# Altium PCB SmartGarden_PCB.PcbDoc
Units mm, origin at the board's own origin, x right, y up, seen from the top; angles counter-clockwise.
Board outline 83.44 x 83.44 mm, 2 copper layers (Top Layer, Bottom Layer); 40 components, 36 nets, 142 pads, 11 vias.
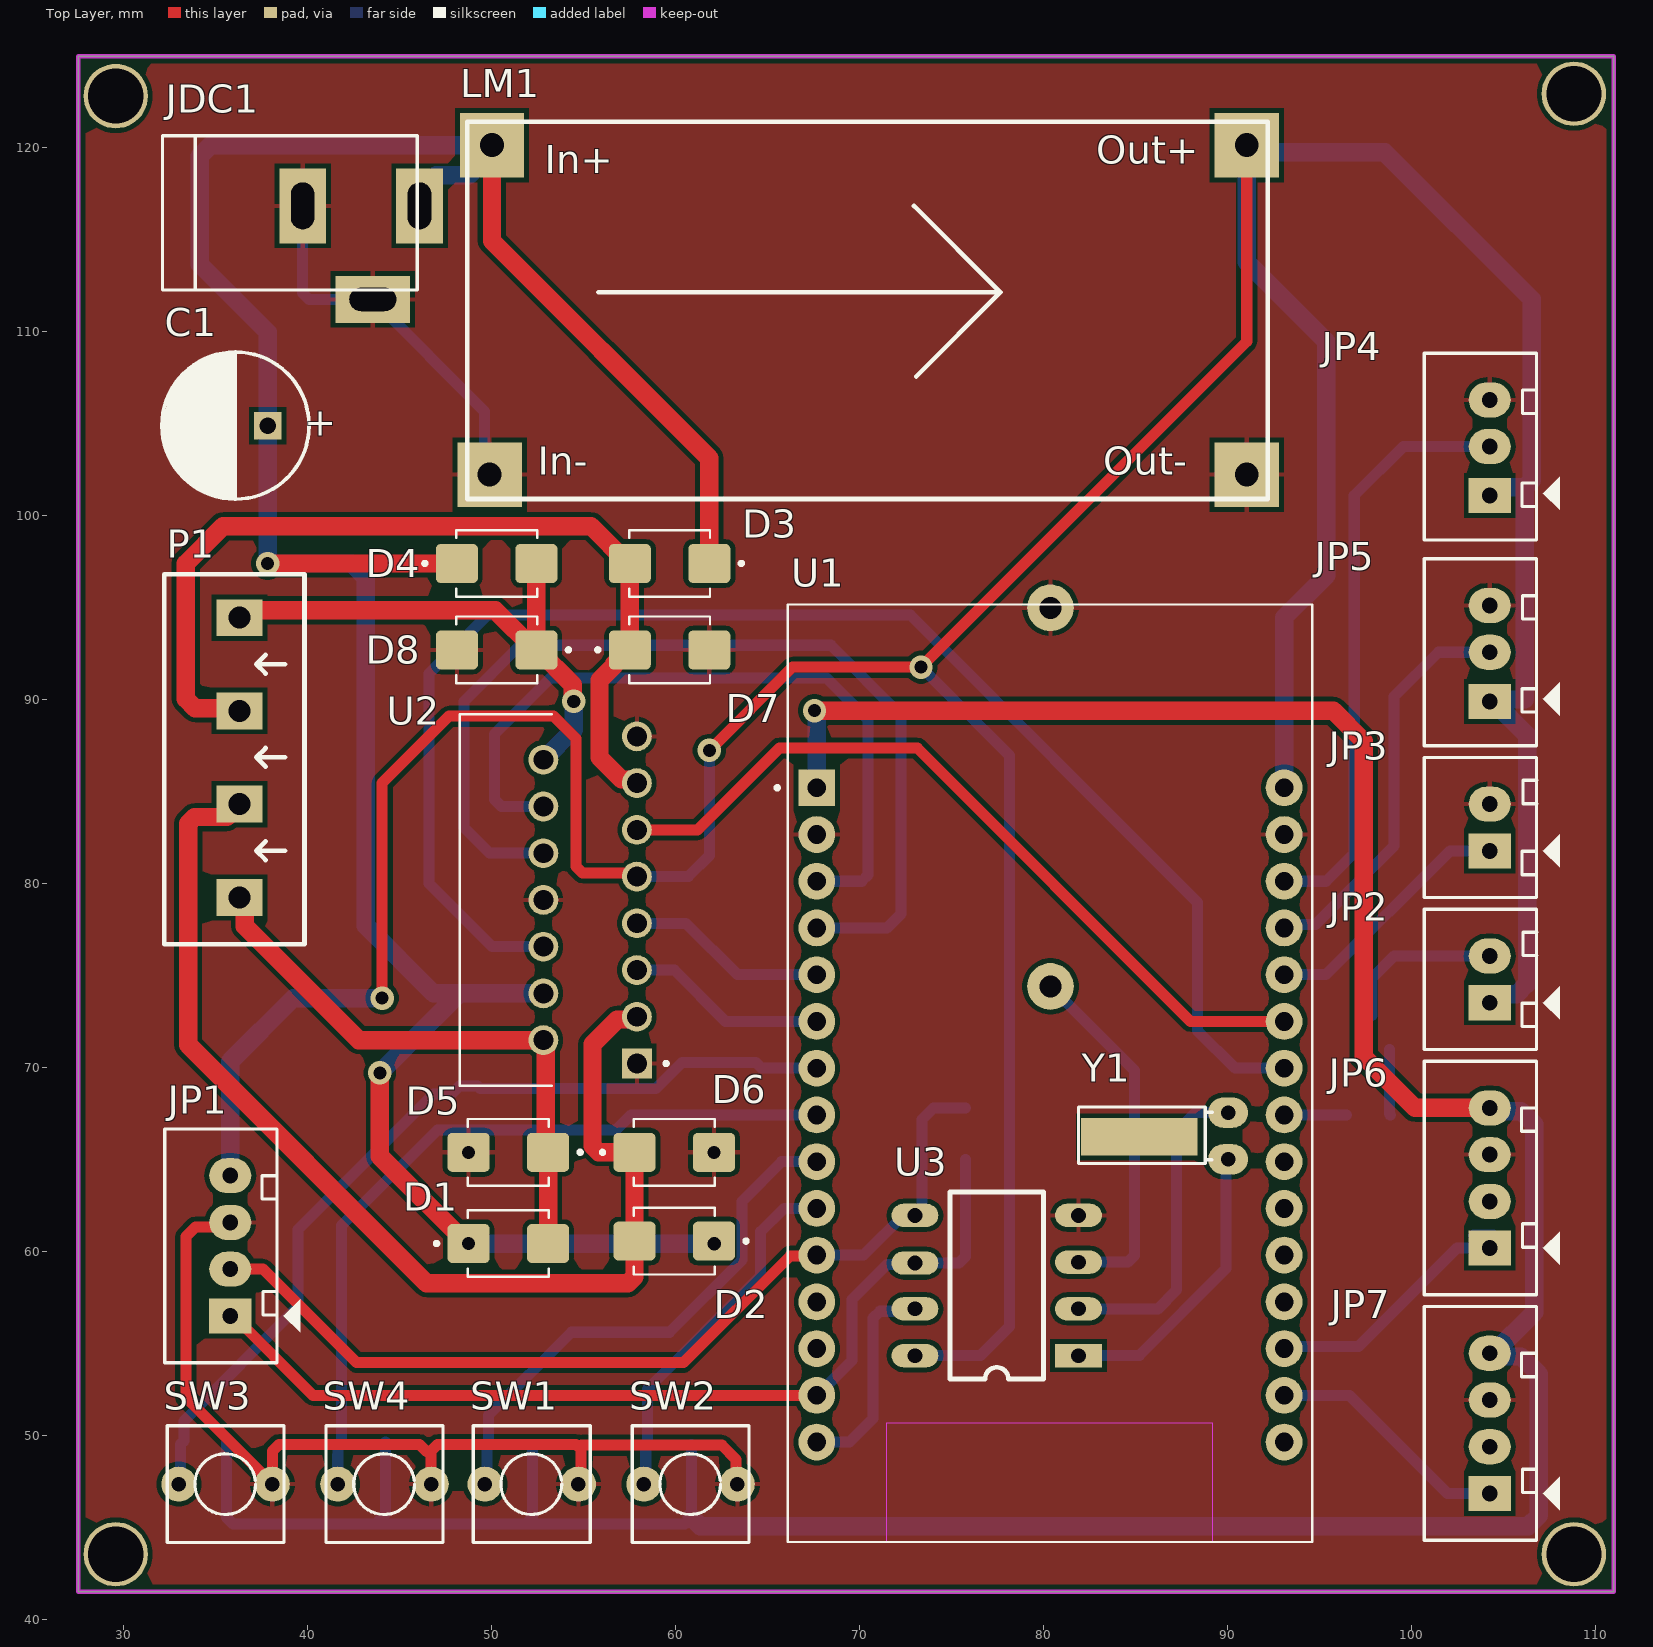
[diagram p0: Top Layer view]
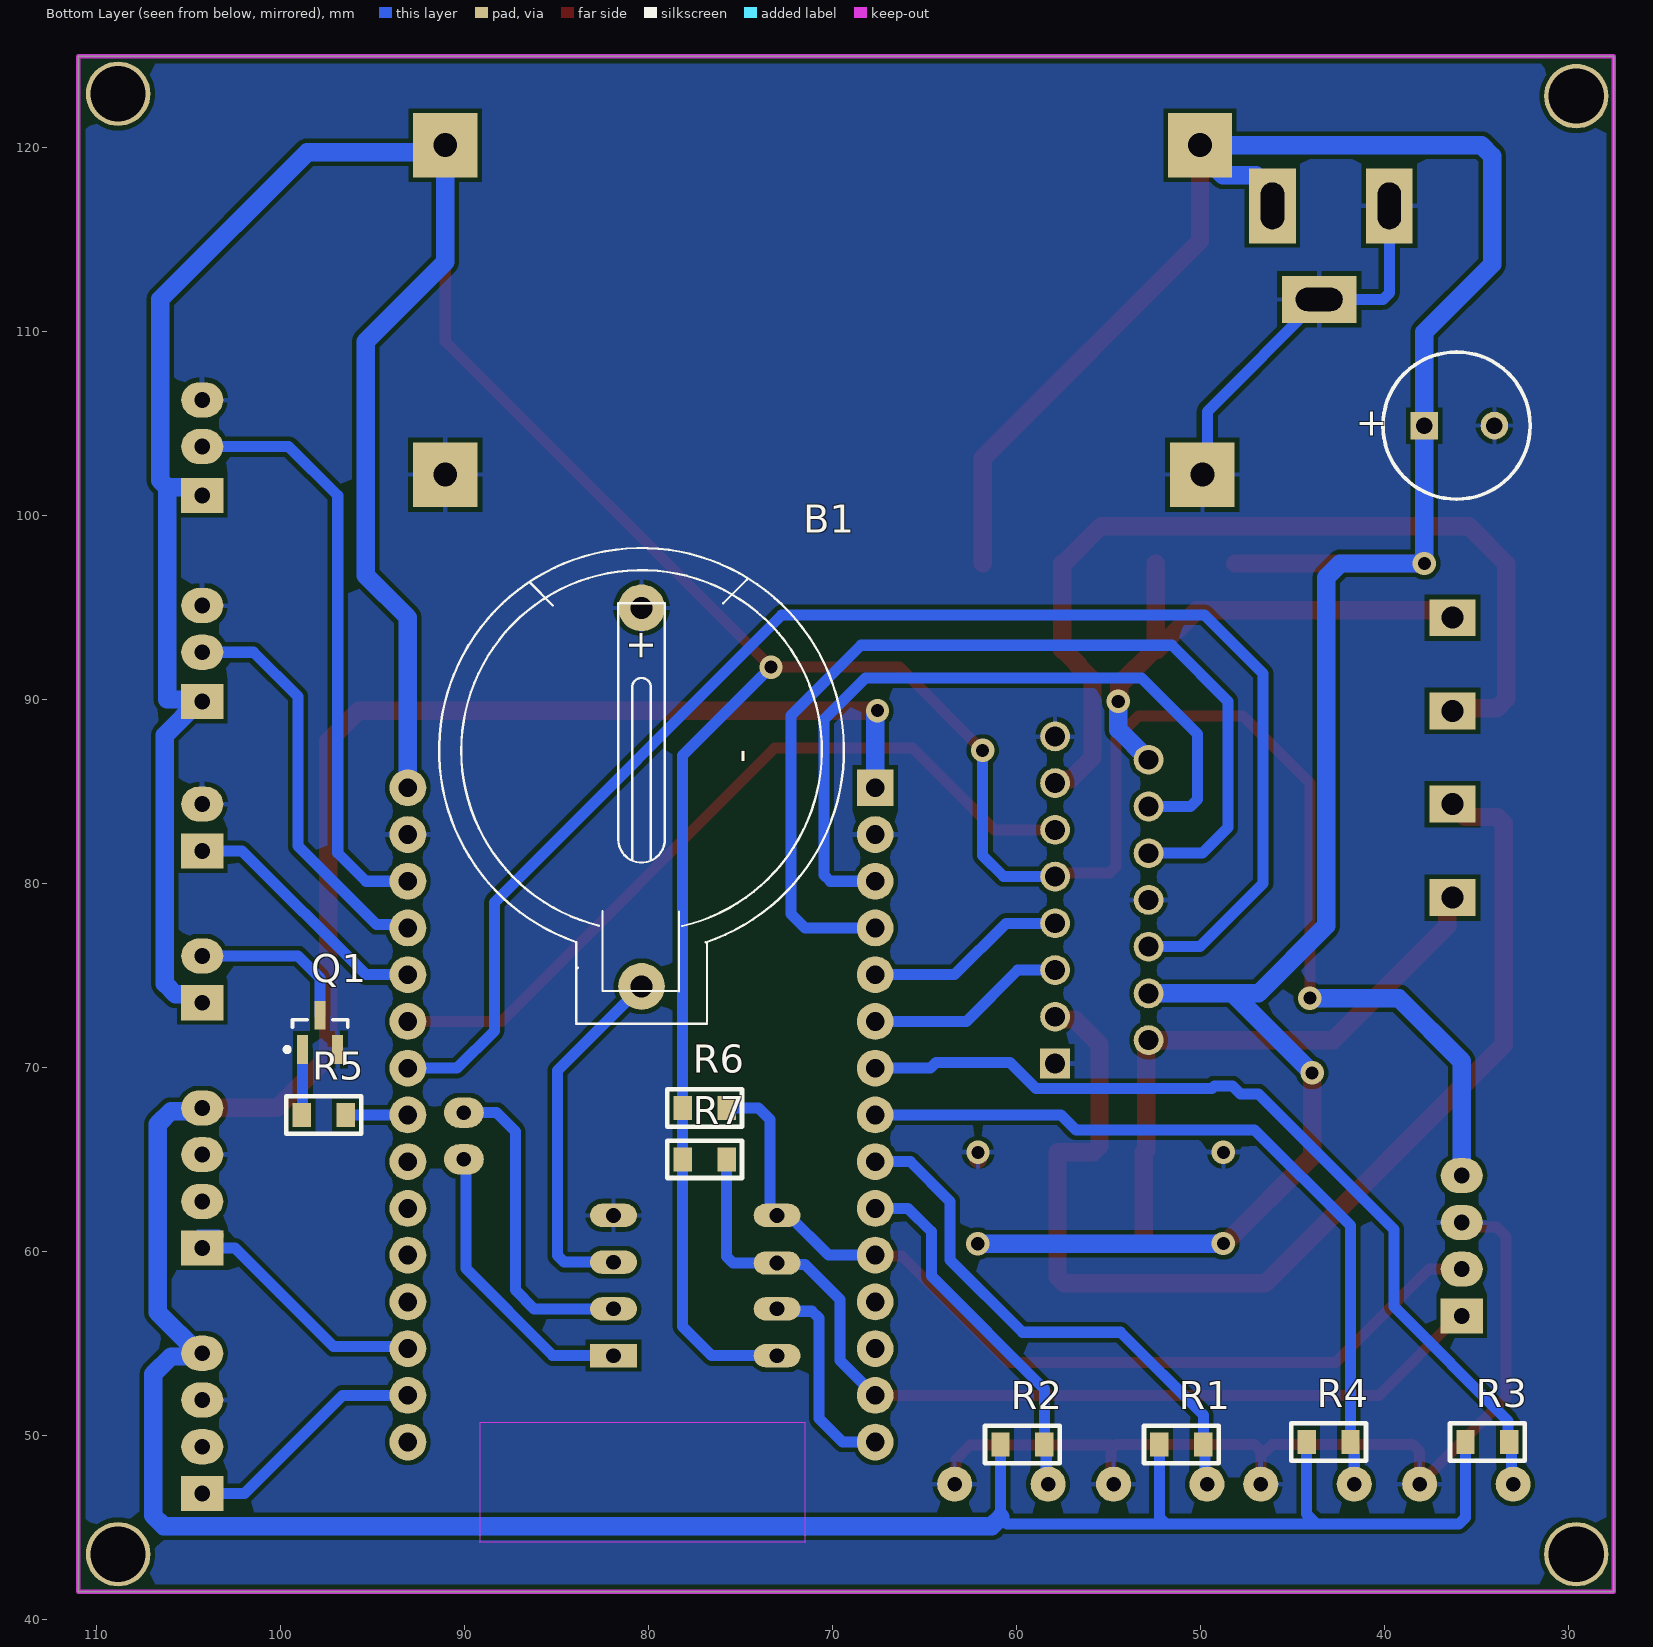
[diagram p1: Bottom Layer view, seen from below]
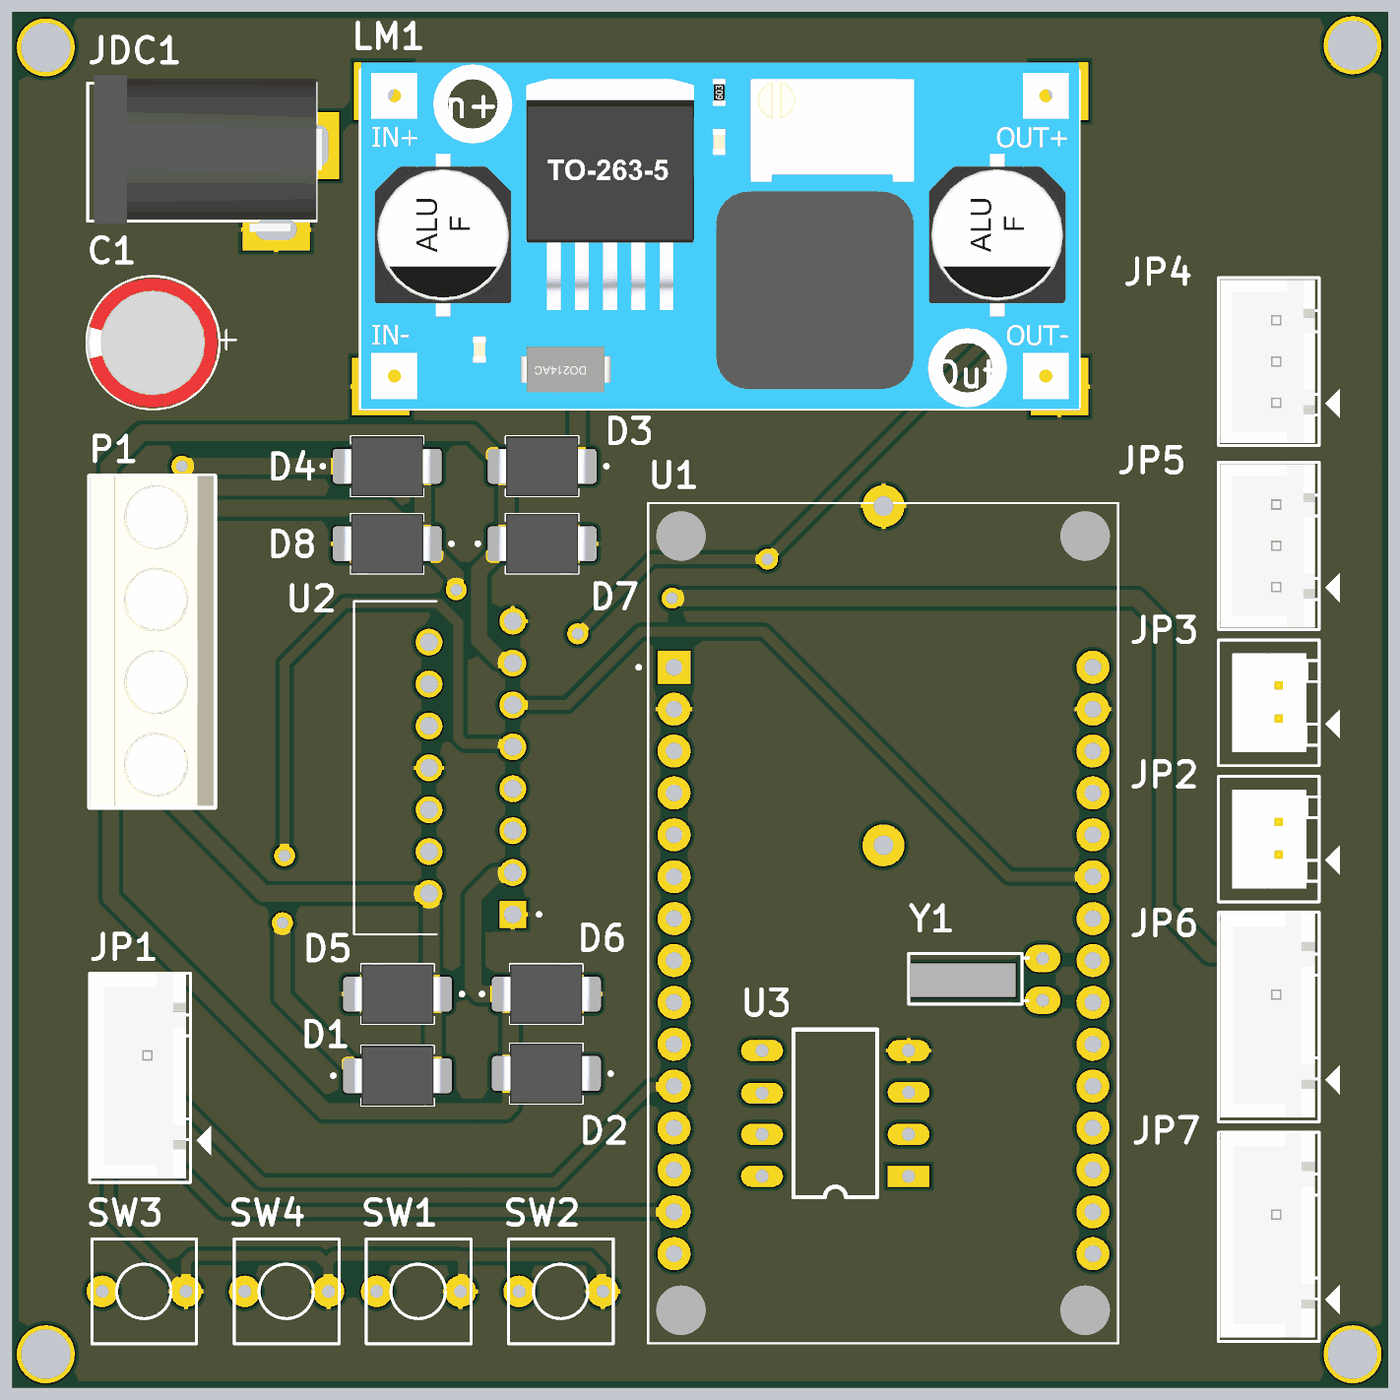
[diagram p2: 3D render of the assembled board from above, using the file's embedded part models]
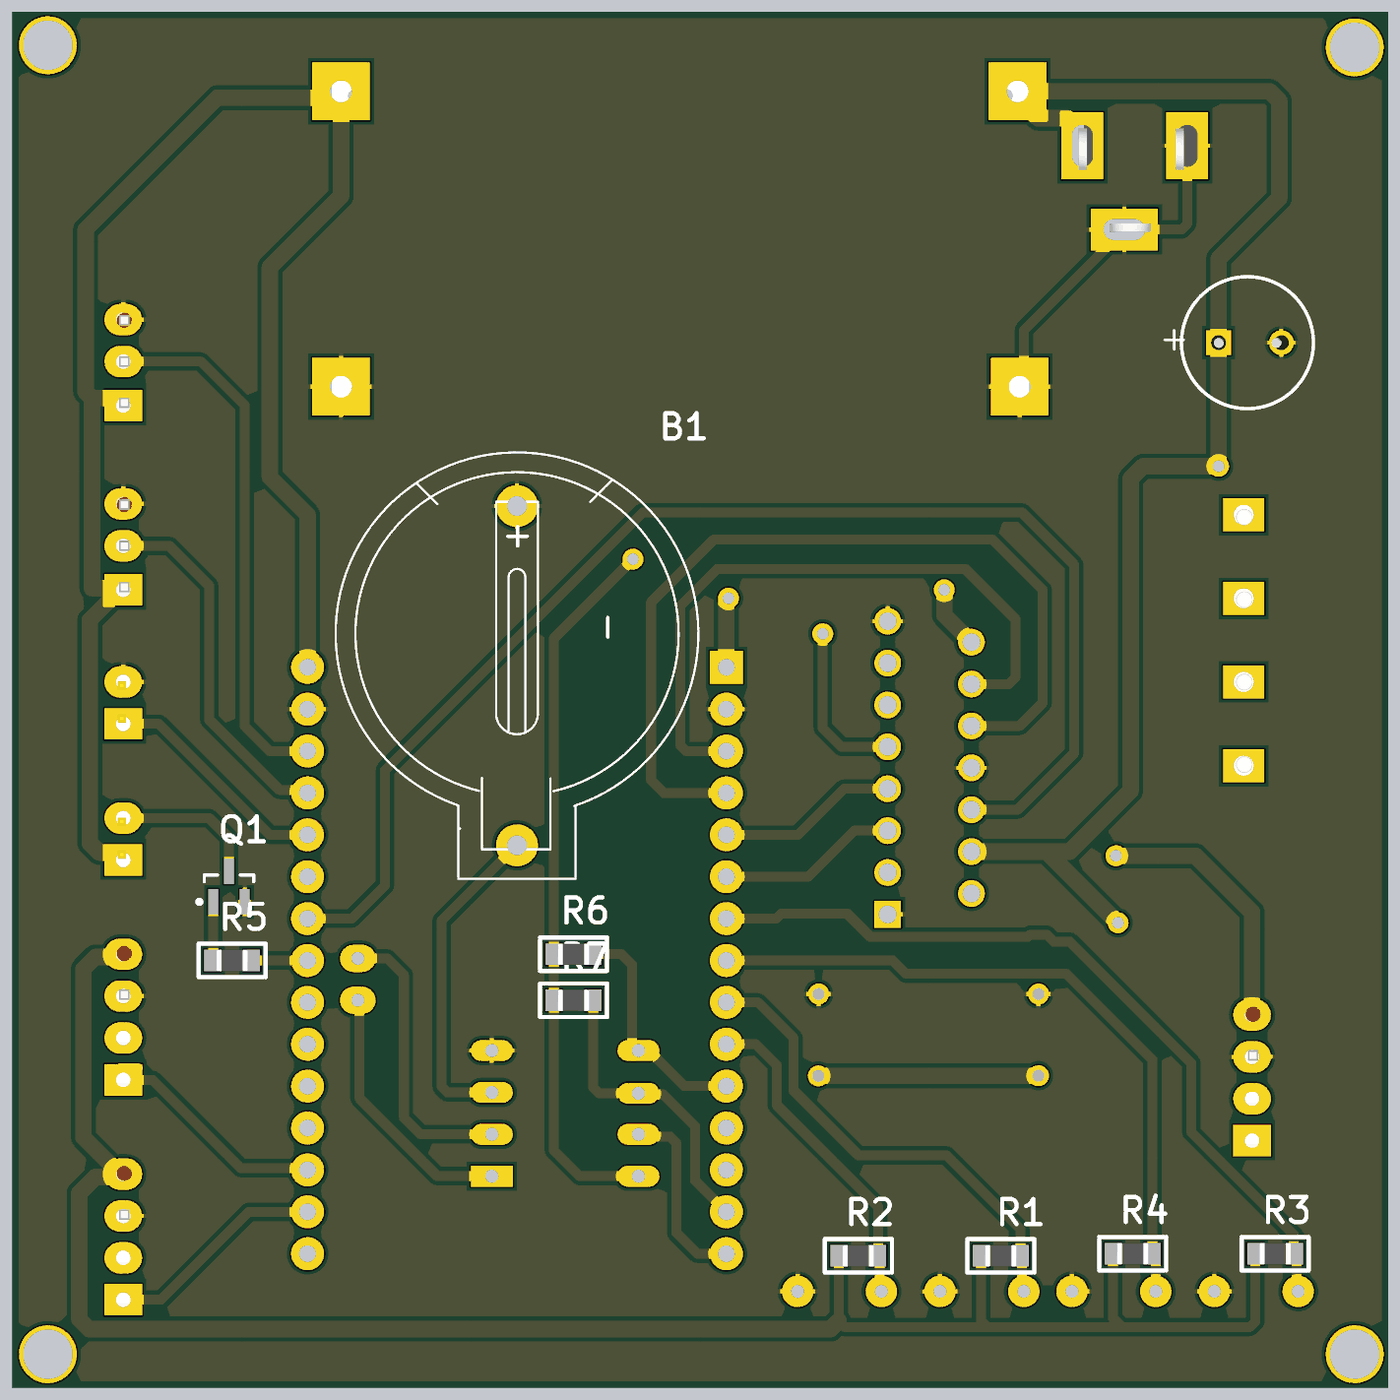
[diagram p3: 3D render of the assembled board from below, using the file's embedded part models]

## Layer stack, top to bottom
Top Solder: solder mask 0.0102, Solder Resist, Dk 3.5
Top Layer: signal copper 0.0356
Dielectric 1: dielectric 0.32, FR-4, Dk 4.8
Bottom Layer: signal copper 0.0356
Bottom Solder: solder mask 0.0102, Solder Resist, Dk 3.5

## Board outline
27.559,41.529 27.559,124.968 110.998,124.968 110.998,41.529

## Design rules (kind name [scope] priority, off if disabled: settings)
Clearance [All] p1: gap=0.254 ignorepadtopadclearanceinfootprint=FALSE
PolygonConnect [All] p1: connectstyle=Relief reliefconductorwidth=0.254 reliefentries=4 polygonreliefangle="90 Angle" airgapwidth=0.254
RoutingVias [All] p1: holewidth=0.711 width=1.27 viastyle="Through Hole" minholewidth=0.711 minwidth=1.27 maxholewidth=0.711 maxwidth=1.27
SolderMaskExpansion [All] p1: expansion=0.102 istentingtop=FALSE
Width [All] p1: maxlimit=1 minlimit=0.6 preferedwidth=0.6 minimp=50.000000 maximp=50.000000 favimp=50.000000
30 further rules are at their usual default settings.

## Classes and differential pairs
component class Vuon_TM: B1 C1 D1 D2 D3 D4 D5 D6 D7 D8 JDC1 JP2 JP4 JP5 JP6 JP7 LM1 P1 Q1 R1 R2 R3 R4 R5 R6 R7 SW1 SW2 SW3 SW4 U1 U2 U3 Y1

## Components (designator, comment, footprint, x,y, rotation, side; value= is the part's Value field where it differs from the comment)
B1 "BATT-Holder" BATT-LI-Bott-22mm 80.391,74.422 r90 bottom value=3.3V
C1 "Cap Pol" "RADIAL E" 37.846,104.902 r180 top value=220uF/35V
D1 "SS24" DIOM5336X265N 50.927,60.452 r0 top
D2 "SS24" DIOM5336X265N 59.944,60.579 r180 top
D3 "SS24" DIOM5336X265N 59.69,97.409 r180 top
D4 "SS24" DIOM5336X265N 50.291,97.409 r0 top
D5 "SS24" DIOM5336X265N 50.927,65.405 r180 top
D6 "SS24" DIOM5336X265N 59.944,65.405 r0 top
D7 "SS24" DIOM5336X265N 59.69,92.71 r0 top
D8 "SS24" DIOM5336X265N 50.292,92.71 r180 top
H1 "Hole" "LO KHOAN 3MM" 108.839,122.936 r0 top
H2 "Hole" "LO KHOAN 3MM" 108.839,43.561 r0 top
H3 "Hole" "LO KHOAN 3MM" 29.591,43.561 r0 top
H4 "Hole" "LO KHOAN 3MM" 29.591,122.809 r0 top
JDC1 "Jac DC" DC-IN 46.101,116.84 r0 top
JP1 "LCD-I2C" CON4 35.814,56.515 r90 top value="Connector 4"
JP2 "JP2" CON2 104.267,73.533 r90 top value="Connector 2"
JP3 "JP2" CON2 104.267,81.788 r90 top value="Connector 2"
JP4 "DHT11" CON3 104.267,101.219 r90 top value="Connector 3"
JP5 "Water_Flow" CON3 104.267,90.043 r90 top value="Connector 3"
JP6 "DAD" CON4 104.267,60.198 r90 top value="Connector 4"
JP7 "CBAS" CON4 104.267,46.863 r90 top value="Connector 4"
LM1 "LM2596-Adj" lm2596 66.548,109.093 r0 top
P1 "Header 4 - M" "Medium - Header 4" 36.322,79.248 r90 top
Q1 "C1815" "SOT23 [C1815]" 97.856,71.918 r90 bottom
R1 "RESISTOR" R-0805 51.054,49.53 r0 bottom value=1K
R2 "RESISTOR" R-0805 59.69,49.53 r0 bottom value=1K
R3 "RESISTOR" R-0805 34.417,49.657 r0 bottom value=1K
R4 "RESISTOR" R-0805 43.053,49.657 r0 bottom value=1K
R5 "RESISTOR" R-0805 97.663,67.437 r180 bottom value=100R
R6 "RESISTOR" R-0805 76.962,67.818 r180 bottom value=100R
R7 "RESISTOR" R-0805 76.962,65.024 r180 bottom value=100R
SW1 "SW" SW2 49.657,47.371 r0 top value="SW chip 2 pin"
SW2 "SW" SW2 58.293,47.371 r0 top value="SW chip 2 pin"
SW3 "SW" SW2 33.02,47.371 r0 top value="SW chip 2 pin"
SW4 "SW" SW2 41.656,47.371 r0 top value="SW chip 2 pin"
U1 "ESP32-DEVKIT-V1" MODULE_ESP32_DEVKIT_V1 80.391,69.702 r0 top
U2 "L298N" TO127P2020X500X2100-15 57.912,70.231 r180 top
U3 "Realtime Clock IC" DS1307.Dip8 81.915,54.356 r180 top
Y1 "32.768k" XT32kn 90.043,67.564 r180 top

## Footprints (in the part's own frame and the unit in brackets; to place one, negate y for a bottom-side part, rotate by r counter-clockwise, add the part's x,y. Pads: shape width x height; smd on the part's side, far side on the other; paste and mask are expansions set on the pad)
BATT-LI-Bott-22mm [mil]
  round 100 hole 47.24: 1(0,0) 2(810,0)
  silkscreen extent -80,-433 938,433, body extent -81,-435 938,433, height 283
CON2 [mil] "CON2"
  rect 75x90 hole 34: 1(0,0)
  oval 75x90 hole 34: 2(100,0)
  silkscreen extent -100,-150 200,140, body extent -68,-70 168,107, height 236
CON3 [mil] "CON 3"
  rect 75x90 hole 34: 1(-5,0)
  oval 75x90 hole 34: 2(100,0) 3(200,0)
  silkscreen extent -100,-150 300,140, body extent -95,-90 295,136, height 276
CON4 [mil] "CON4"
  rect 75x90 hole 34: 1(0,0)
  oval 75x90 hole 34: 2(100,0) 3(200,0) 4(300,0)
  silkscreen extent -100,-150 400,140, body extent -90,-90 398,136, height 276
DC-IN [mil] "Jac DC input"
  rect 100x160 hole 50 slot 100 at 90 deg: 1(0,0) 2(-250,0)
  rect 160x100 hole 50 slot 100 at 0 deg: 3(-100,-200)
  silkscreen extent -550,-180 -5,150, body extent -535,-205 9,169, height 434
DIOM5336X265N [mm]
  rrect25% 2.29x2.12 smd: A(2.16,0) C(-2.16,0)
  silkscreen extent -4,-1.81 2.2,1.81, body extent -2.67,-1.81 2.67,1.81, height 2.65
DS1307.Dip8 [mm] "Dual Inline Package 8 pins"
  rect 2.54x1.27 hole 0.8: 1(0,0)
  oval 2.54x1.27 hole 0.8: 2(0,-2.54) 3(0,-5.08) 4(0,-7.62) 5(8.89,-7.62) 6(8.89,-5.03) 7(8.89,-2.54) 8(8.89,0)
  silkscreen extent 1.91,-8.89 6.99,1.27, body extent 0.03,-8.89 8.77,1.27, height 5.4
lm2596 [mm]
  rect 3.5x3.5 hole 1.3: 1(-16.51,11.049) 2(-16.637,-6.858) 3(24.511,-6.858) 4(24.511,11.049)
  silkscreen extent -17.85,-8.18 25.65,12.32, body extent -17.81,-8.21 25.69,12.79, height 13.68
"LO KHOAN 3MM" [mil]
  round 138 hole 118.1: 1(0,0)
"Medium - Header 4" [mm]
  rect 2x2.5 hole 1.2: 1(0,0) 2(5.08,0) 3(10.147,0) 4(15.215,0)
  silkscreen extent -2.54,-3.53 17.58,4.09, body extent -2.43,-3.46 17.57,4.04, height 10
MODULE_ESP32_DEVKIT_V1 [mm]
  rect 2x2 / inner round 2 / far side rect 2x2 hole 1.02: 1(-12.7,15.515)
  round 2 hole 1.02: 2(-12.7,12.975) 3(-12.7,10.435) 4(-12.7,7.895) 5(-12.7,5.355) 6(-12.7,2.815) 7(-12.7,0.275) 8(-12.7,-2.265) 9(-12.7,-4.805) 10(-12.7,-7.345) 11(-12.7,-9.885) 12(-12.7,-12.425) 13(-12.7,-14.965) 14(-12.7,-17.505) 15(-12.7,-20.045) 16(12.7,-20.045) 17(12.7,-17.505) 18(12.7,-14.965) 19(12.7,-12.425) 20(12.7,-9.885) 21(12.7,-7.345) 22(12.7,-4.805) 23(12.7,-2.265) 24(12.7,0.275) 25(12.7,2.815) 26(12.7,5.355) 27(12.7,7.895) 28(12.7,10.435) 29(12.7,12.975) 30(12.7,15.515)
  round 3 on Top Paste: ""(-12.28,-23.475) ""(-12.28,23.475) ""(12.23,-23.475) ""(12.23,23.475)
  Keep-Out Layer region: 8.78,-25.475 -8.91,-25.475 -8.91,-18.985 8.78,-18.985
  Keep-Out Layer region: 8.78,-25.475 -8.91,-25.475 -8.91,-18.985 8.78,-18.985
  silkscreen extent -14.95,-25.48 14.23,25.48
R-0805 [mm] "Chip Resistor; Body 2.0 x 1.3 mm (LxW typ) [2012]"
  rect 1x1.3 smd: 1(-1.194,0) 2(1.194,0)
  silkscreen extent -2.03,-1.02 2.03,1.02, body extent -0.95,-0.65 0.95,0.65, height 0.63
"RADIAL E" [mm] "Capacitor, Electrolytic, Radial; Body 8 x 10.5 mm (Dia.xH typ); Pin Spacing 3.5 mm (typ)"
  rect 1.5x1.5 hole 0.9: 1(0,0)
  round 1.5 hole 0.9: 2(3.81,0)
  silkscreen extent -2.25,-4 5.75,4, body extent -2.24,-3.99 5.76,4.01, height 11.74
"SOT23 [C1815]" [mm] "SOT23, 3-Leads, Body 3.0x2.6mm (max), Pitch 0.95mm, IPC Medium Density"
  rect 1.55x0.6 smd: 1(-0.925,0.95) 2(-0.925,-0.95) 3(0.925,0)
  silkscreen extent -1.05,-1.5 0.7,1.93, body extent -1.53,-1.5 1.53,1.5, height 1.1
SW2 [mil] "SW button 2pin, 250x 250 mil"
  round 75 hole 31: 1(0,0) 2(200,0)
  silkscreen extent -25,-125 225,125
TO127P2020X500X2100-15 [mm]
  rect 1.62x1.62 hole 1.08: 1(0,0)
  round 1.62 hole 1.08: 2(5.08,-1.27) 3(0,-2.54) 4(5.08,-3.81) 5(0,-5.08) 6(5.08,-6.35) 7(0,-7.62) 8(5.08,-8.89) 9(0,-10.16) 10(5.08,-11.43) 11(0,-12.7) 12(5.08,-13.97) 13(0,-15.24) 14(5.08,-16.51) 15(0,-17.78)
  silkscreen extent -1.69,-18.99 9.63,1.21
XT32kn [mil] "Crystal for 32,768kHz, 2pin"
  oval 85x65 hole 31: 1(0,0) 2(0,100)
  rect 250x80 smd: 3(190,52)
  silkscreen extent 34,-12 320,109

## Part data
B1: "Battery holder", Manufacturer=China, ComponentLink1Description="Digikey Part Link", ComponentLink2Description="Open Datasheet", ComponentLink2URL=H:\LIBRARY\LIBRARY.Datasheet\, Price="3000 VND", Published=13-April-2009, Publisher="Hoang Nguyen", Vendor=Digikey
C1: "Polarized Capacitor", LatestRevisionDate=17-Jul-2002, LatestRevisionNote="Re-released for DXP Platform.", PackageReference=POLAR0.8, Published=8-Jun-2000, Publisher="Altium Limited"
D1 D2 D3 D4 D5 D6 D7 D8: "Diode Schottky 40V 2A Surface Mount DO-214AA (SMB)", Package="DO-214AA ON Semiconductor", Availability="In Stock", Check_prices=https://www.snapeda.com/parts/SS24/Onsemi/view-part/?ref=eda, MF="ON Semiconductor", MP=SS24, Price=None, SnapEDA_Link=https://www.snapeda.com/parts/SS24/Onsemi/view-part/?ref=snap
H1 H2 H3 H4: "Hole 3mm"
JDC1: library part DCIN, "Jac DC input"
JP1 JP6 JP7: library part Con4, "Connector 4"
JP2 JP3: library part Con2, "Connector 2"
JP4 JP5: library part Con3, "Connector 3"
LM1: "Designed By @Alixahedi"
P1: "Header, 3-Pin, Medium", LatestRevisionDate=17-Jul-2002, LatestRevisionNote="Re-released for DXP Platform.", Publisher="Altium Limited"
Q1: "Q2SC1815", PSpiceTemplate="Q^@REFDES %c %b %e @MODEL", COMPONENT=2SC1815, ComponentLink1Description="Digikey Part Link", ComponentLink2Description="Open Datasheet", ComponentLink2URL=H:\LIBRARY\LIBRARY.Datasheet\, Price=500VND, Published=13-April-2009, Publisher="Hoang Nguyen", Vendor=Digikey
R1 R2 R3 R4 R5 R6 R7: "Resistor", LatestRevisionDate=17-Jul-2002, LatestRevisionNote="Re-released for DXP Platform.", PackageReference=AXIAL-0.3, Published=8-Jun-2000, Publisher="Altium Limited"
SW1 SW2 SW3 SW4: library part SW2, "Switch button 2 pin"
U1: "Dual core, Wi-Fi: 2.4 GHz up to 150 Mbits/s,BLE (Bluetooth Low Energy) and legacy Bluetooth, 32 bits, Up to 240 MHz", Package=None, Availability="Not in stock", Check_prices=https://www.snapeda.com/parts/ESP32-DEVKIT-V1/Do+it/view-part/?ref=eda, MF="Do it", MP=ESP32-DEVKIT-V1, Price=None, SnapEDA_Link=https://www.snapeda.com/parts/ESP32-DEVKIT-V1/Do+it/view-part/?ref=snap
U2: "Dual Full Bridge Motor Driver 15-Pin(15+Tab) MULTIWATT V Tube", Package=None, Availability=Unavailable, MP=L298N, Price=None
U3: library part DS1307, Manufacturer=Maxim, ComponentLink1Description="Digikey Part Link", ComponentLink2Description="Open Datasheet", ComponentLink2URL=H:\LIBRARY\LIBRARY.Datasheet\DS1307.pdf
Y1: library part Crystal, "Crystal Oscillator", LatestRevisionDate=17-Jul-2002, LatestRevisionNote="Re-released for DXP Platform.", PackageReference=R38, Published=8-Jun-2000, Publisher="Altium Limited"

## Via types
v1: diameter 1.27, hole 0.711, Top Layer to Bottom Layer, 11 vias

## Nets (pads, with @x,y where several pads share a name; then routed paths per layer and width w, separated by ;. In a path a pad name is that pad's centre, name@x,y a point inside that pad or via, vN(x,y) a via of type N, cw(c..) or ccw(c..) an arc to the next point about the centre after c; other vN are vias at no path point)
3V3: JP6.4 JP7.4 R1.2 R2.2 R3.2 R4.2 U1.1 | length 176.1
  Top Layer w1: v1(67.564,89.408) 95.758,89.408 97.409,87.757 97.409,70.612 100.203,67.818 JP6.4
  Bottom Layer w0.6: R3.2 35.611,45.563 35.962,45.212 43.718,45.212 ; R4.2 44.247,45.741 43.718,45.212 ; R1.2 52.248,45.563 51.896,45.212 ; R2.2 60.884,45.563 60.532,45.212 51.896,45.212 ; 43.718,45.212 51.896,45.212
  Bottom Layer w1: 60.884,45.563 61.362,45.085 106.348,45.085 106.934,45.671 106.934,53.34 105.964,54.31 104.44,54.31 JP7.4 ; v1(67.564,89.408) 67.564,89.335 67.691,89.208 U1.1 ; JP6.4 104.44,67.645 105.964,67.645 106.68,66.929 106.68,56.706 JP7.4@104.457,54.483
+5: JP1.4 JP2.1 JP4.1 JP5.1 LM1.4 R6.1 R7.1 U1.30 U2.9 U3.8 | length 253.7
  Top Layer w0.6: v1(44.069,73.787) 44.069,85.471 47.706,89.108 53.386,89.108 54.61,87.884 54.61,80.938 54.961,80.586 57.717,80.586 U2.9 ; v1(61.849,87.249) 66.373,91.773 v1(73.358,91.773) 91.059,109.474 LM1.4@91.059,119.761
  Bottom Layer w0.6: U2.9 60.706,80.391 61.849,81.534 v1(61.849,87.249) ; U3.8 76.581,54.356 78.156,55.931 R7.1 R6.1 78.156,86.975 v1(73.358,91.773)
  Bottom Layer w1: JP1.4 35.814,70.358 39.243,73.787 v1(44.069,73.787) ; U1.30 93.091,94.466 95.377,96.752 95.377,109.474 91.059,113.792 91.059,119.761 98.552,119.761 106.553,111.76 106.553,101.932 106.166,101.544 ; JP2.1 104.719,73.985 105.713,73.985 106.299,74.571 106.299,88.075 104.457,89.916 JP5.1 ; JP4.1 104.719,101.544 106.166,101.544 ; JP5.1@104.368,90.017 106.166,90.017 106.166,101.544
+12: C1.1 D1.C D2.C D3.C D4.C JDC1.1 LM1.1 U2.4 | length 149.8
  Top Layer w1: v1(37.846,97.409) D4.C ; v1(43.942,69.723) 43.942,65.192 48.682,60.452 v1(48.768,60.452) ; LM1.1@50.038,119.761 50.038,114.935 61.85,103.123 D3.C ; D2.C 62.104,60.451 v1(62.118,60.437)
  Bottom Layer w1: v1(43.942,69.723) 48.26,74.041 ; JDC1.1 46.101,117.602 47.01,118.511 48.788,118.511 50.038,119.761 49.657,120.142 34.749,120.142 34.163,119.556 34.163,113.665 37.846,109.982 C1.1 v1(37.846,97.409) 42.418,97.409 43.18,96.647 43.18,77.724 46.863,74.041 48.26,74.041 ; v1(48.768,60.452) 48.776,60.444 62.111,60.444 v1(62.118,60.437) ; U2.4 48.26,74.041
A1_4: U1.21
A1_5: U1.22
A_AS: JP7.1 U1.17 | length 13.4
  Bottom Layer w0.6: U1.17 96.647,52.197 101.981,46.863 JP7.1
A_DAD: JP6.1 U1.18 | length 14.5
  Bottom Layer w0.6: U1.18 93.2,54.846 97.137,54.846 102.489,60.198 JP6.1 ; JP6.1@103.378,60.896 JP6.1@104.455,60.896
BT1: R3.1 SW3.1 U1.7 | length 48.7
  Bottom Layer w0.6: SW3.1 33.122,47.473 33.122,49.555 33.288,49.722 33.288,50.814 39.497,57.023 39.497,61.214 46.863,68.58 47.849,68.58 48.276,69.007 49.26,69.007 49.4,68.867 58.951,68.867 60.361,70.277 64.375,70.277 64.675,69.977 U1.7
BT2: R1.1 SW1.1 U1.9 | length 29.2
  Bottom Layer w0.6: SW1.1 49.759,47.473 49.759,49.428 R1.1 49.86,51.13 54.356,55.626 59.69,55.626 63.627,59.563 63.627,62.738 65.786,64.897 U1.9
BT3: R2.1 SW2.1 U1.10 | length 19.8
  Bottom Layer w0.6: SW2.1 58.395,47.473 R2.1@58.395,49.428 ; R2.1 58.496,52.527 64.643,58.674 64.643,61.087 65.913,62.357 U1.10
BT4: R4.1 SW4.1 U1.8 | length 42.5
  Bottom Layer w0.6: SW4.1 41.656,48.956 41.659,48.959 41.659,49.457 R4.1 41.859,61.417 47.071,66.629 56.788,66.629 57.596,67.437 U1.8
DHT11_Data: JP4.2 U1.28 | length 32.3
  Bottom Layer w0.6: U1.28 95.377,80.137 96.901,81.661 96.901,101.092 99.568,103.759 JP4.2
Di_AS: JP7.2
Di_DAD: JP6.2
ENA: U1.24 U2.6 | length 81.2
  Bottom Layer w0.6: U2.6 50.038,76.581 46.609,80.01 46.609,91.44 49.784,94.615 72.771,94.615 88.392,78.994 88.392,72.009 90.424,69.977 U1.24
ENB: U1.25 U2.11 | length 43.2
  Top Layer w0.6: U2.11 61.214,82.931 65.659,87.376 73.152,87.376 88.011,72.517 U1.25
FAN: R5.2 U1.23 | length 3.4
  Bottom Layer w0.6: U1.23 R5.2
GND: B1.2 C1.2 D5.A D6.A D7.A D8.A JDC1.2 JDC1.3 JP1.3 JP3.2 JP4.3 JP5.3 JP6.3 JP7.3 LM1.2 LM1.3 Q1.2 SW1.2 SW2.2 SW3.2 SW4.2 U1.2 U1.29 U2.1 U2.8 U2.15 U3.4 | length 74.1
  Top Layer w0.6: JP1.3 35.564,61.345 33.913,61.345 33.401,60.833 33.401,52.07 SW3.2 38.1,49.179 38.451,49.53 46.101,49.53 46.486,49.145 ; SW4.2 46.736,49.179 47.087,49.53 54.61,49.53 54.864,49.276 ; SW1.2 54.864,47.498 54.864,49.276 ; SW2.2 63.298,47.446 63.298,48.716 62.525,49.489 54.905,49.489 54.864,49.448 54.864,49.276
  Top Layer w1: D6.A@62.104,65.025 v1(62.104,65.405)
  Bottom Layer w0.6: JDC1.2 39.751,112.111 40.102,111.76 JDC1.3 49.643,105.678 LM1.2@49.643,101.078 ; U1.29@93.045,82.342 93.38,82.677 U1.29
  other v1: 48.767,65.405
IN1: U1.6 U2.5 | length 10.9
  Bottom Layer w0.6: U2.5 59.944,75.311 62.738,72.517 U1.6
IN2: U1.5 U2.7 | length 10.9
  Bottom Layer w0.6: U2.7 60.579,77.851 63.373,75.057 U1.5
IN3: U1.4 U2.10 | length 54
  Bottom Layer w0.6: U2.10 49.911,81.661 48.514,83.058 48.514,89.916 51.562,92.964 68.453,92.964 72.263,89.154 72.263,78.359 71.501,77.597 U1.4
IN4: U1.3 U2.12 | length 40.3
  Bottom Layer w0.6: U2.12 50.546,84.201 50.165,84.582 50.165,88.138 53.213,91.186 68.229,91.186 70.485,88.93 70.485,80.488 70.134,80.137 U1.3
LIGHT: JP3.1 U1.26 | length 14
  Bottom Layer w0.6: U1.26 95.377,75.057 102.108,81.788 JP3.1
NetD1_A: D1.A D5.C P1.1 U2.2 | length 31.6
  Top Layer w1: P1.1 36.601,78.969 36.601,77.699 42.799,71.501 U2.2 52.96,71.373 52.96,65.533 D5.C D1.A
NetD2_A: D2.A D6.C P1.2 U2.3 | length 62.8
  Top Layer w1: P1.2 35.622,83.628 33.879,83.628 33.528,83.277 33.528,71.247 46.482,58.293 57.433,58.293 57.784,58.644 D2.A D6.C 55.85,65.405 55.499,65.756 55.499,71.277 56.844,72.621 57.762,72.621 U2.3
NetD3_A: D3.A D7.C P1.3 U2.13 | length 50.3
  Top Layer w1: P1.3 36.182,89.535 33.909,89.535 33.401,90.043 33.401,97.409 35.433,99.441 55.413,99.441 57.445,97.409 D3.A D7.C 57.445,92.71 56.685,91.95 56.685,91.865 55.88,91.06 55.88,86.868 57.082,85.666 57.717,85.666 U2.13
NetD4_A: D4.A D8.C P1.4 U2.14 | length 29.7
  Top Layer w0.6: U2.14 U2.14@52.832,87.017
  Top Layer w1: P1.4 36.728,94.869 50.208,94.869 52.367,92.71 D8.C 52.537,92.71 54.431,90.816 54.431,89.968 v1(54.483,89.916) ; D8.C D4.A
  Bottom Layer w1: U2.14 54.472,88.381 54.472,89.905 v1(54.483,89.916)
NetJP2_2: JP2.2 Q1.3 | length 8.9
  Bottom Layer w0.6: Q1.3 97.856,74.869 99.06,76.073 JP2.2
NetQ1_1: Q1.1 R5.1 | length 3.6
  Bottom Layer w0.6: Q1.1 98.806,67.488 R5.1
NetU3_1: U3.1 Y1.2 | length 16
  Bottom Layer w0.6: U3.1 85.217,54.356 89.943,59.082 89.943,64.924 Y1.2
NetU3_2: U3.2 Y1.1 | length 17.6
  Bottom Layer w0.6: U3.2 86.233,56.896 87.249,57.912 87.249,66.548 88.265,67.564 Y1.1
SCL: JP1.1 R7.2 U1.14 U3.6 | length 52.1
  Top Layer w0.6: JP1.1 36.005,56.515 40.322,52.197 U1.14
  Bottom Layer w0.6: U1.14 69.596,54.102 69.596,57.404 71.499,59.307 72.946,59.307 U3.6 75.417,59.386 75.768,59.737 R7.2
SDA: JP1.2 R6.2 U1.11 U3.5 | length 50.7
  Top Layer w0.6: JP1.2 37.592,59.055 42.672,53.975 60.452,53.975 66.249,59.772 67.646,59.772 U1.11
  Bottom Layer w0.6: U1.11 70.231,59.817 72.39,61.976 U3.5 73.097,61.976 73.406,62.285 73.406,67.183 74.041,67.818 R6.2
SQW: U1.15 U3.7 | length 11.5
  Bottom Layer w0.6: U1.15 69.469,49.657 70.739,50.927 70.739,56.388 71.119,56.768 72.897,56.768 U3.7
VBAT: B1.1 U3.3 | length 19.7
  Bottom Layer w0.6: B1.1 84.963,69.85 84.963,59.787 84.612,59.436 U3.3
WF: JP5.2 U1.27 | length 22.1
  Bottom Layer w0.6: U1.27 93.277,77.783 94.801,77.783 99.06,82.042 99.06,90.17 101.473,92.583 JP5.2
pads on no net: H1.1 H2.1 H3.1 H4.1 U1. U1.12 U1.13 U1.16 U1.19 U1.20 Y1.3

## Polygon pours and split planes (outlines as drawn)
GND on Bottom Layer "GND_L02_P000" (solid, remove dead copper, pour order 0): 27.559,124.841 27.686,124.968 110.998,124.968 110.998,41.529 27.559,41.529
GND on Top Layer "GND_L01_P001" (solid, pour order 1): 27.559,124.968 110.744,124.968 110.871,124.841 110.871,41.529 27.686,41.529 27.559,41.656

## Keep-outs
Keep-Out Layer:
  the board outline again, w0.254

## Text inside footprints (layer, text, board x,y; h text height)
B1: Bottom Overlay "+" at 79.756,92.075 h1.54 r270; Bottom Overlay "-" at 74.285,86.554 h1.54 r270
C1: Top Overlay "+" at 41.571,105.652 h1.5 r180; Bottom Overlay "+" at 41.571,105.652 h1.5 r180
LM1: Top Overlay "Out+" at 82.88,119.126 h1.52; Top Overlay "Out-" at 83.261,102.235 h1.52; Top Overlay "In-" at 52.527,102.235 h1.52; Top Overlay "In+" at 52.908,118.618 h1.52